# Altium PCB CGRA_Board_3.PcbDoc (part 1 of 7) (continued)
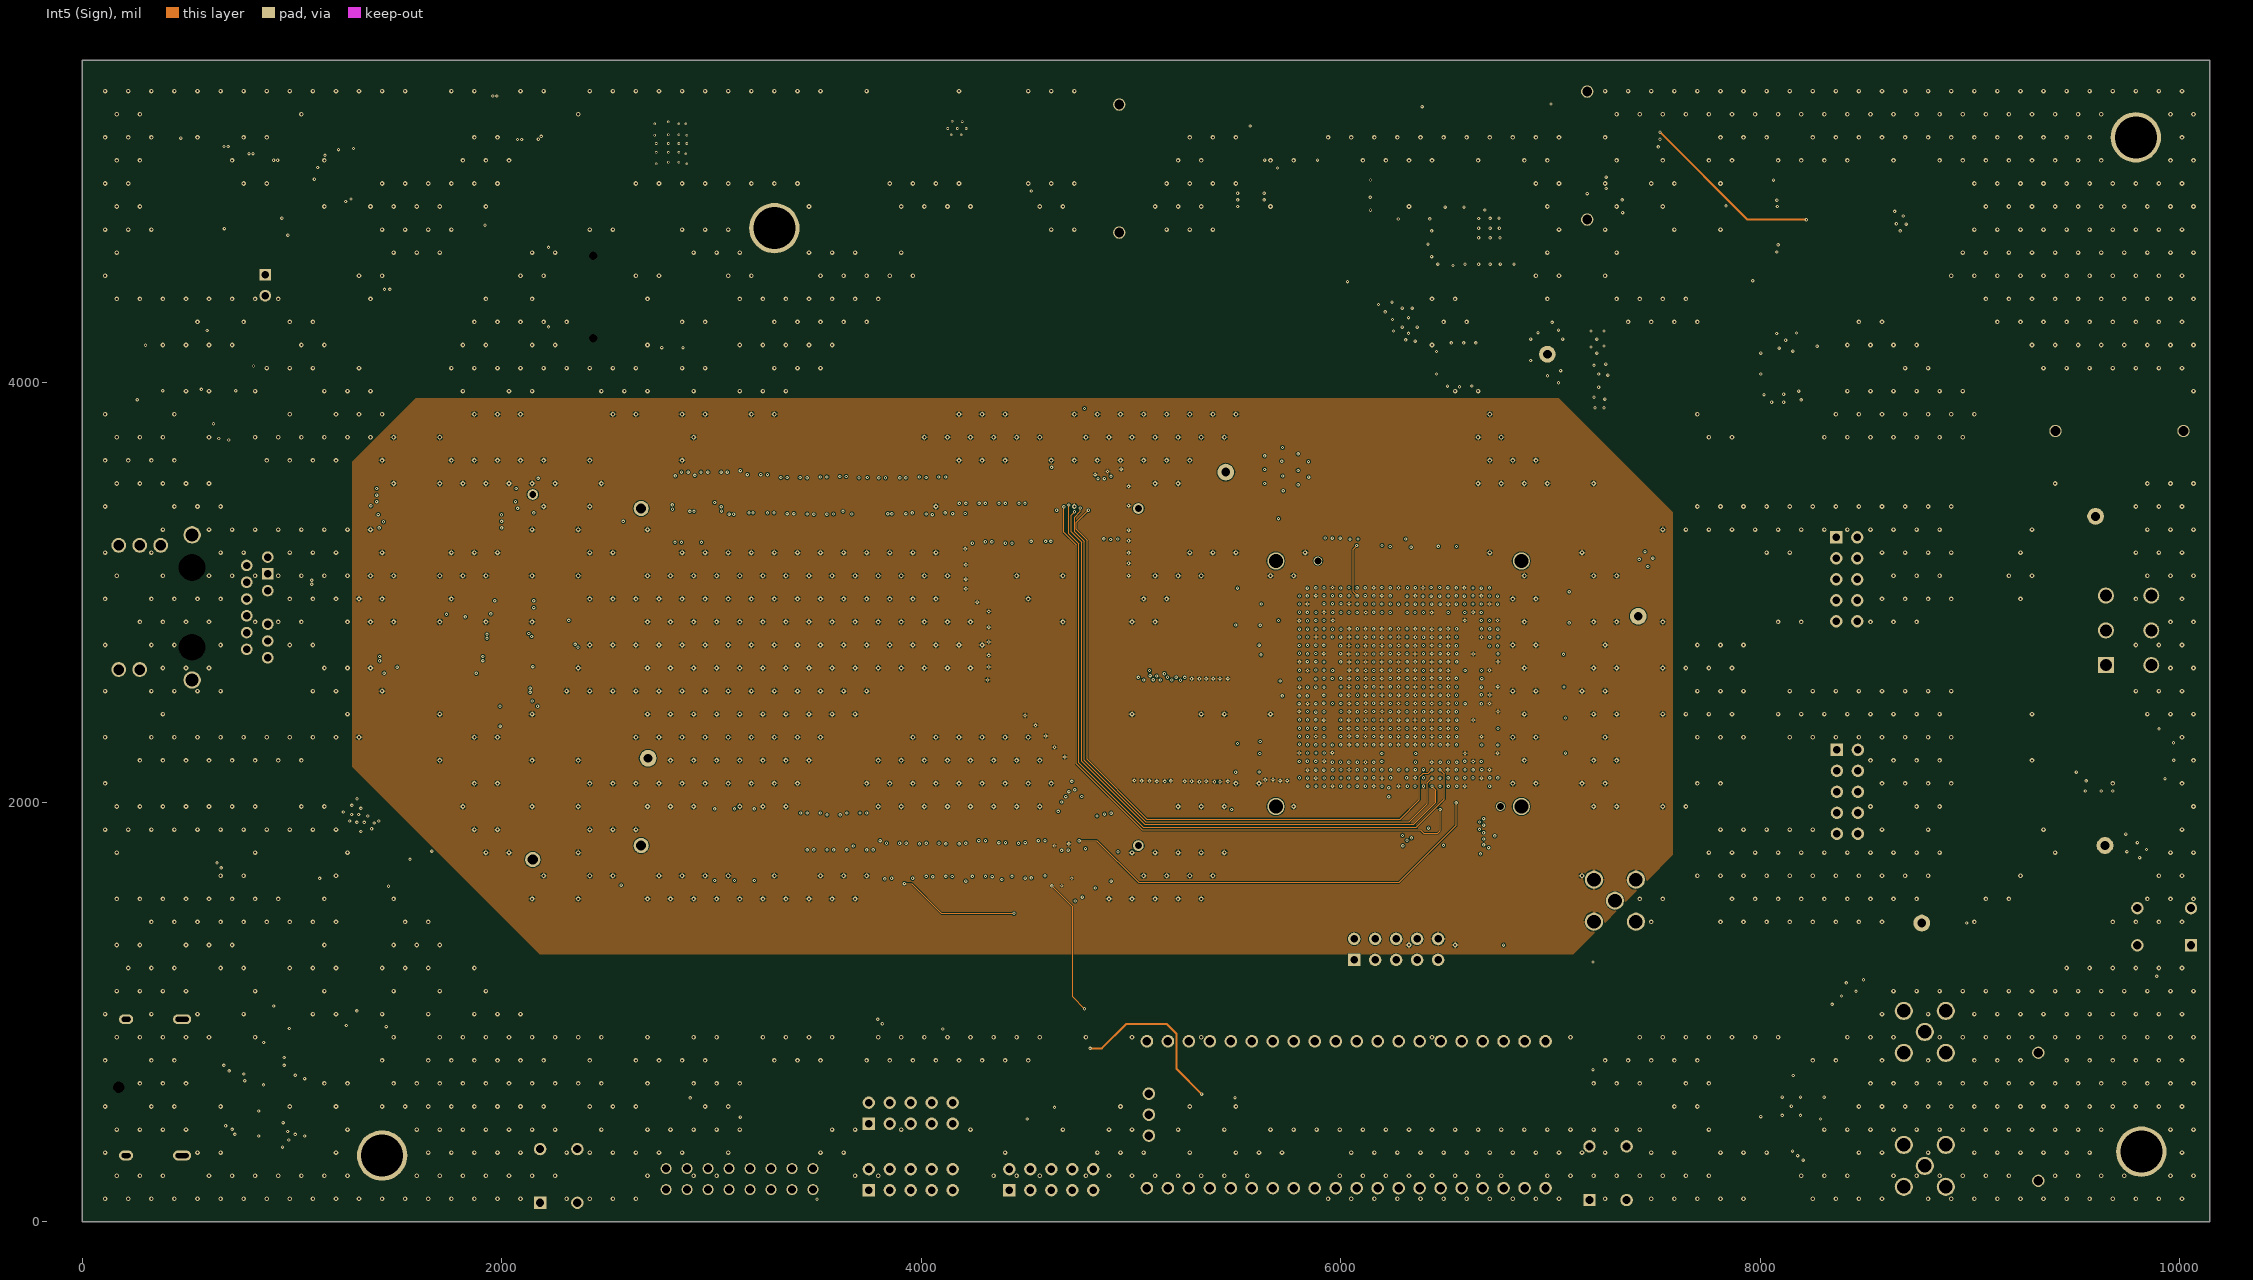
[diagram p6: Int5 (Sign)]
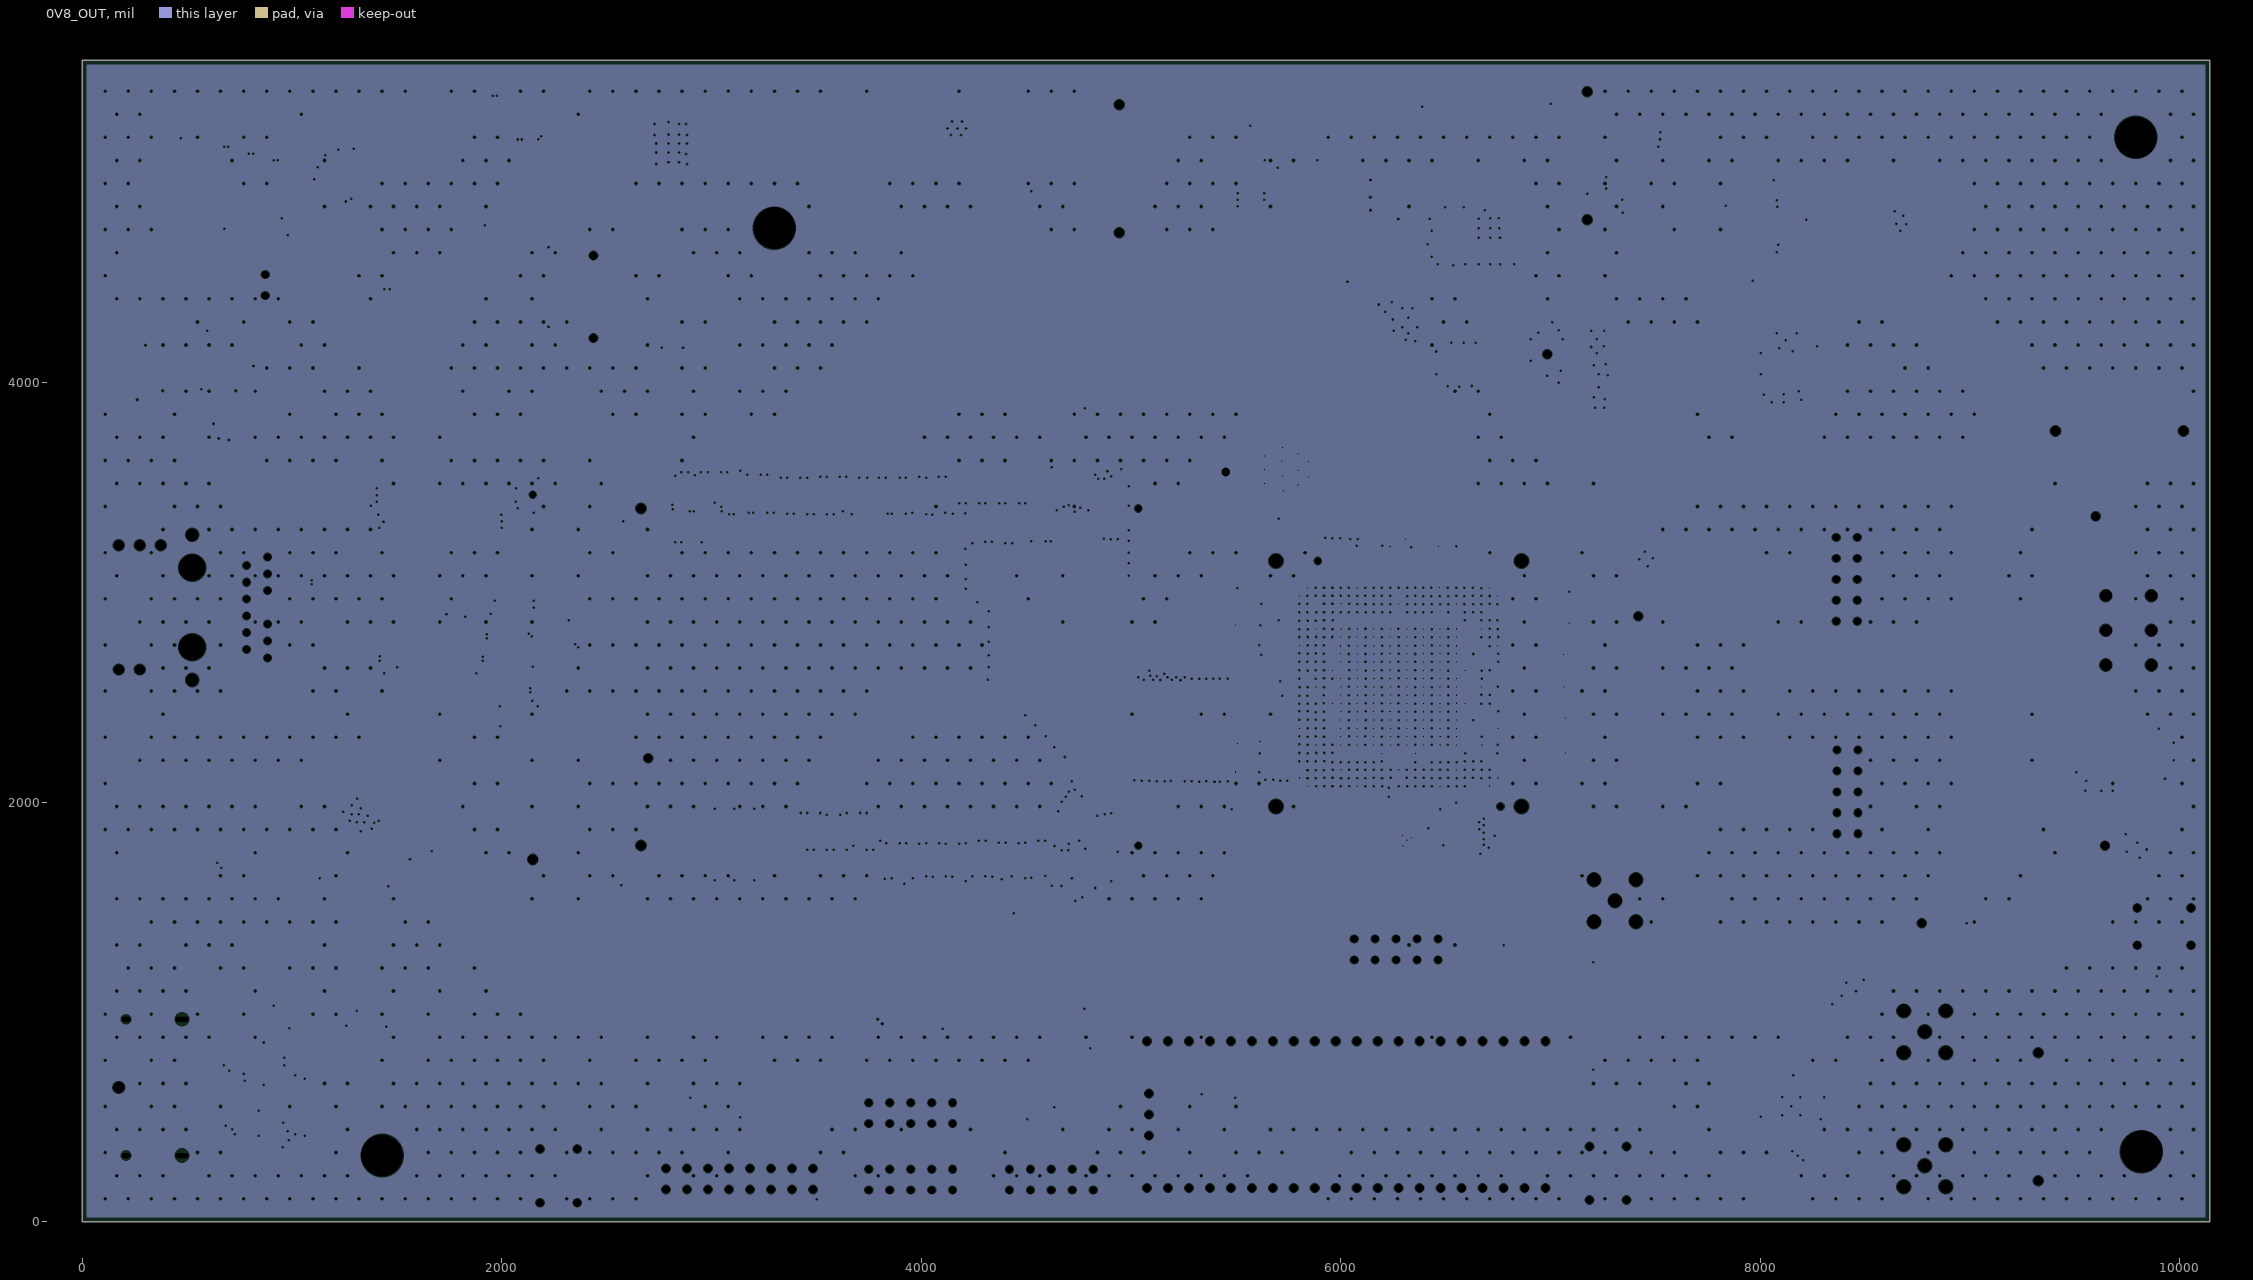
[diagram p7: 0V8_OUT, clearances drawn from the general rule]
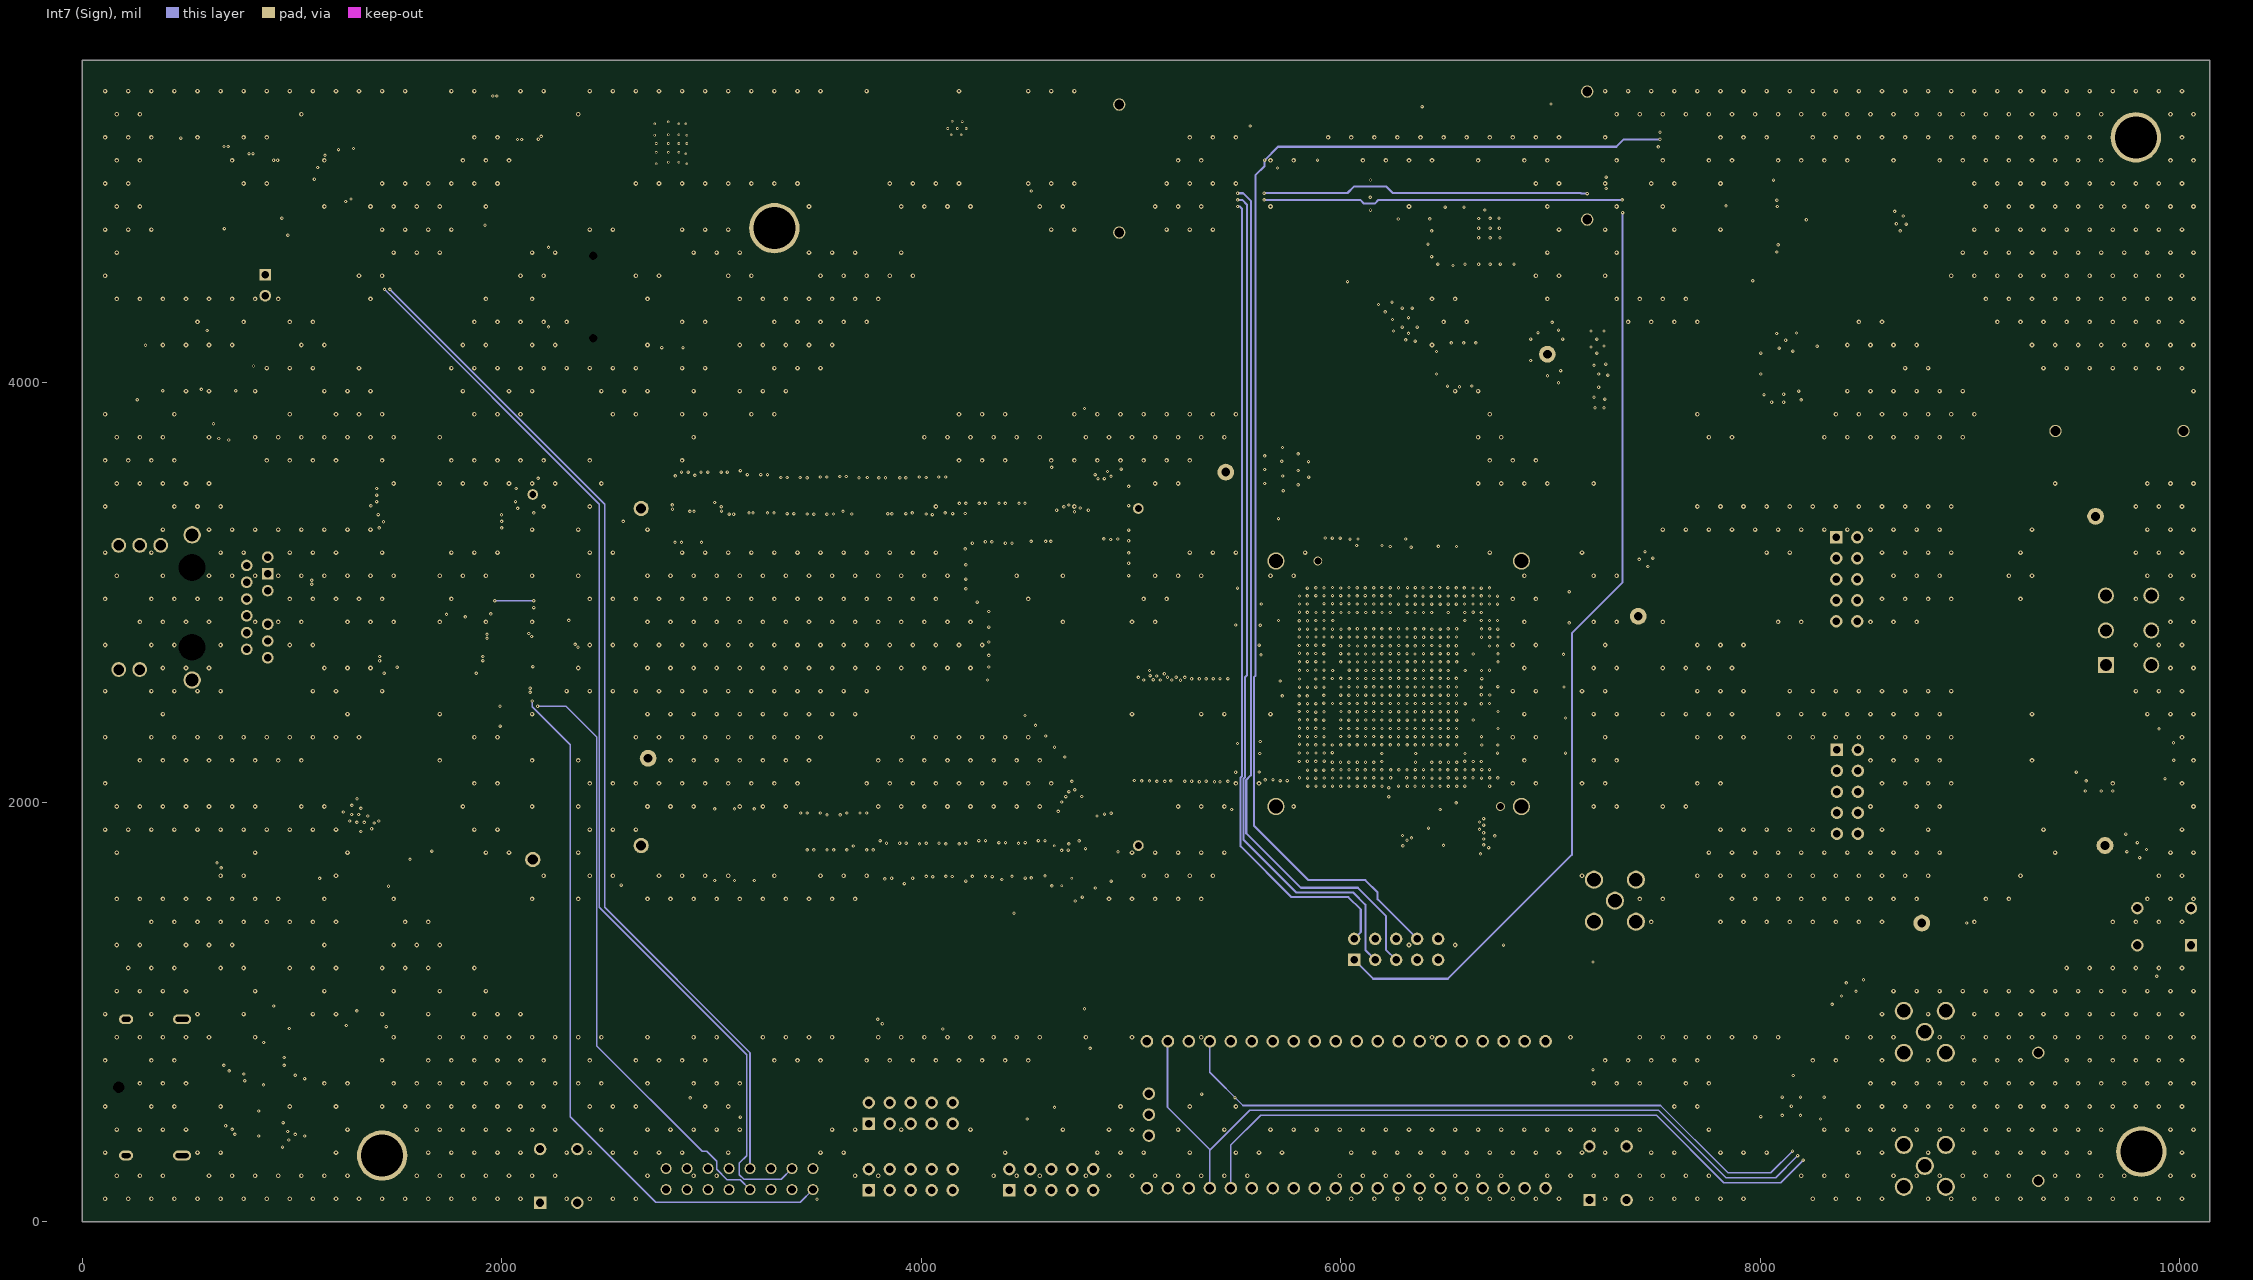
[diagram p8: Int7 (Sign)]
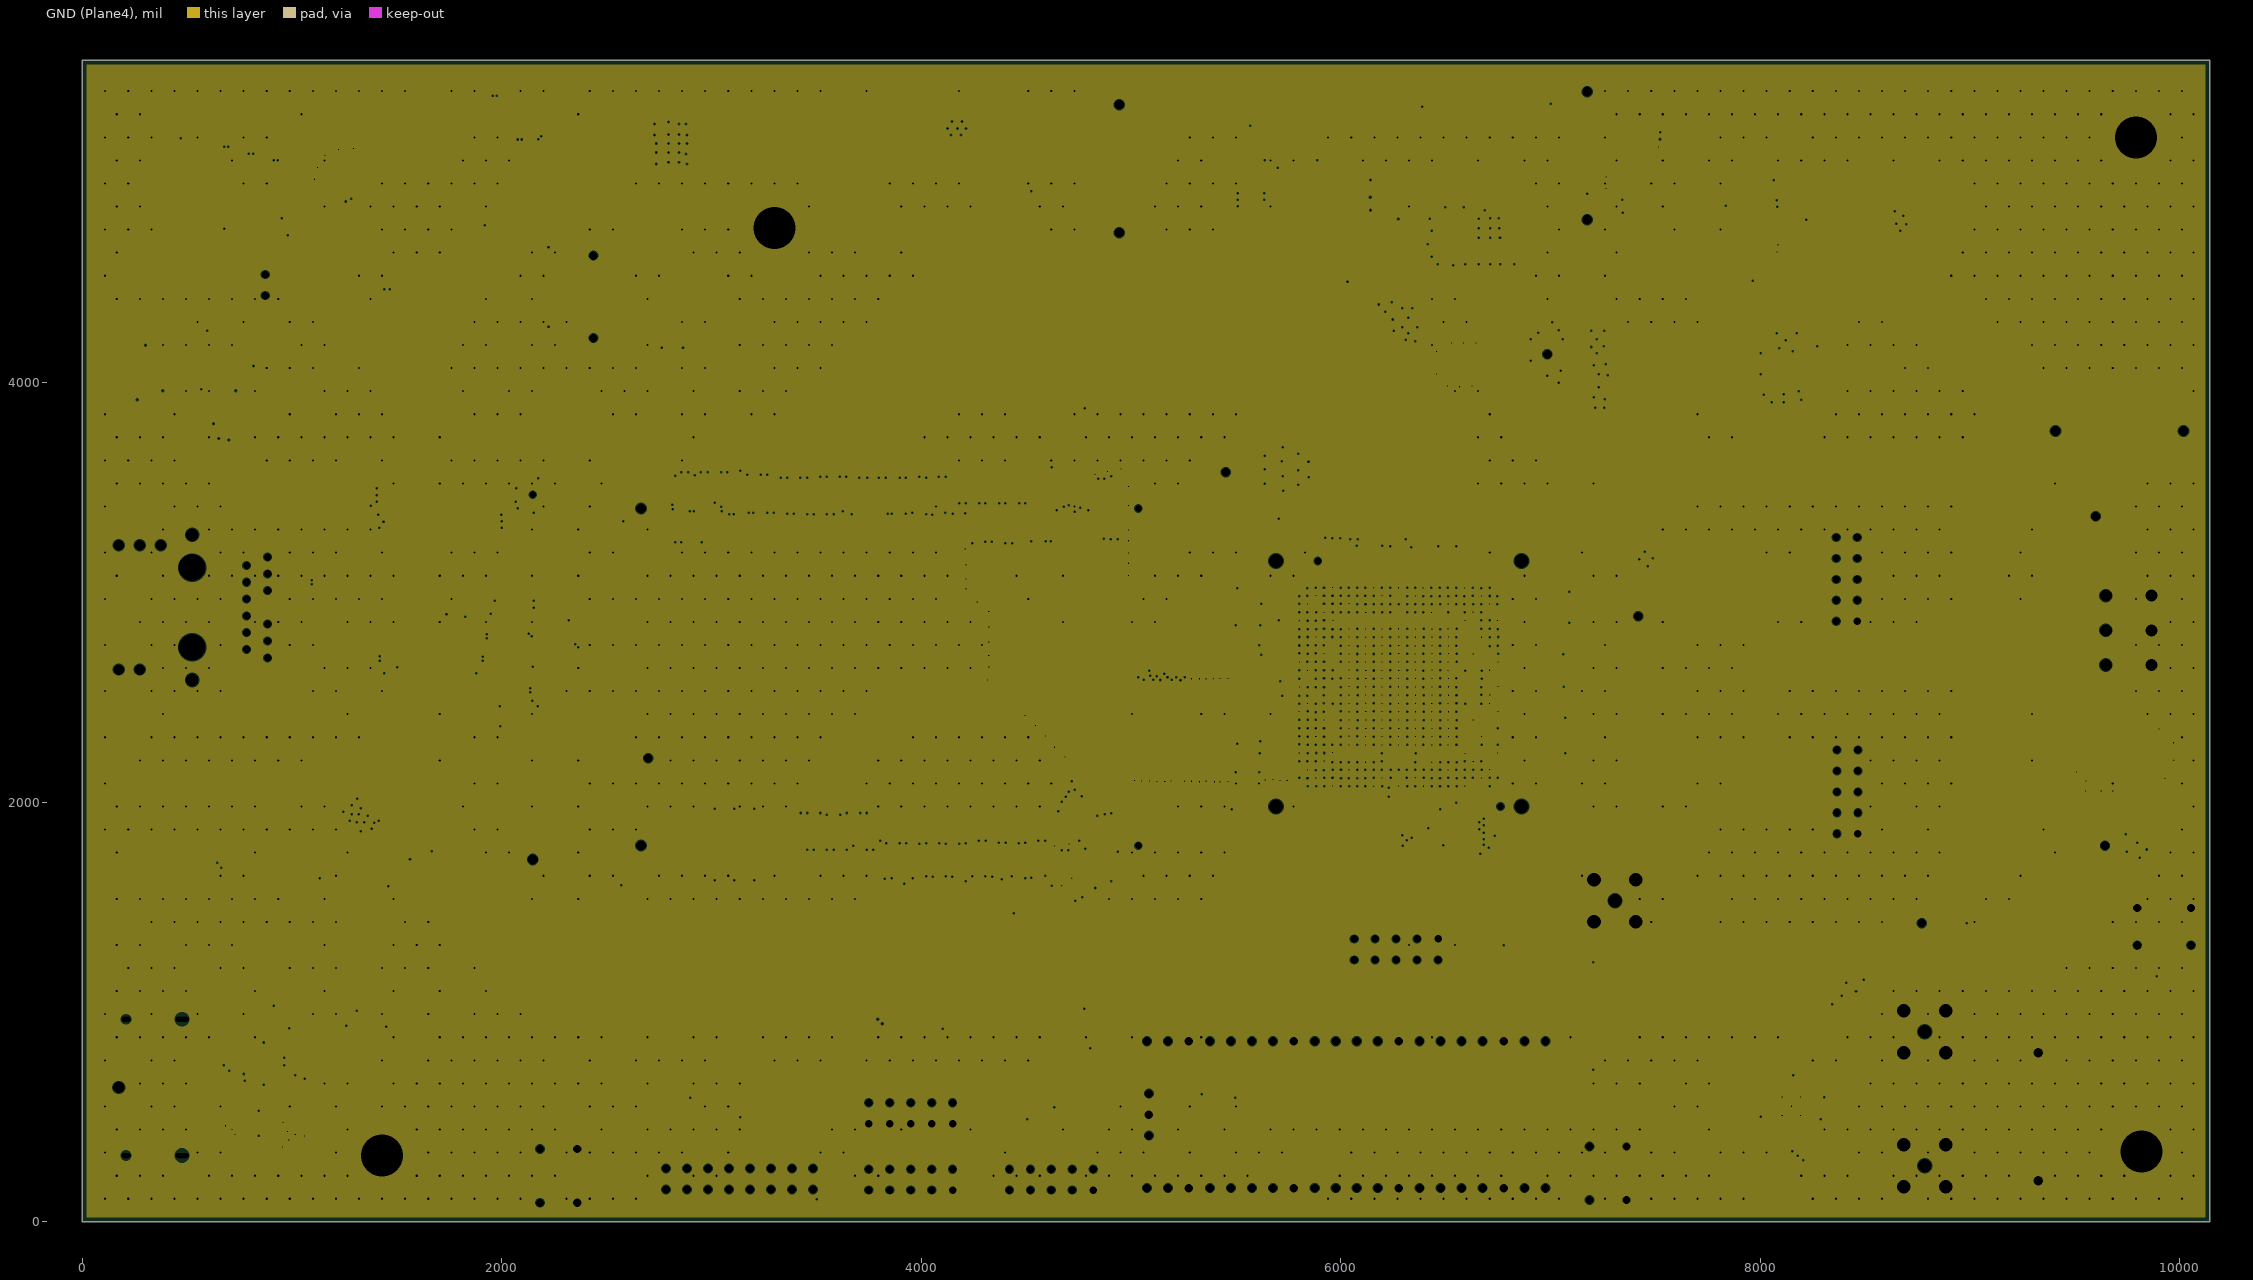
[diagram p9: GND (Plane4), clearances drawn from the general rule]

## Layer stack, top to bottom
Top Solder: solder mask 1, SM-001, Dk 4
Top Layer: signal copper 0.7
Dielectric 1: prepreg 2.8, PP-006, Dk 4.1
Dielectric 2: prepreg 2.8, PP-006, Dk 4.1
GND: plane copper 1.4, net GND
Dielectric 3: core 5, Core-016, Dk 4.3
Int2 (Sign): signal copper 0.7
Dielectric 4: prepreg 2.8, PP-006, Dk 4.1
Dielectric 5: prepreg 2.8, PP-006, Dk 4.1
1V8: plane copper 1.378, net 1V8_PM
Dielectric 6: core 5, Core-016, Dk 4.3
Int4 (Sign): signal copper 1.4
Dielectric 7: prepreg 2.8, PP-006, Dk 4.1
Dielectric 8: prepreg 2.8, PP-006, Dk 4.1
Int5 (Sign): signal copper 1.4
Dielectric 9: core 5, Core-016, Dk 4.3
0V8_OUT: plane copper 1.378, net 0V8_OUT
Dielectric 10: prepreg 2.8, PP-006, Dk 4.1
Dielectric 11: prepreg 2.8, PP-006, Dk 4.1
Int7 (Sign): signal copper 0.7
Dielectric 12: core 5, Core-016, Dk 4.3
GND (Plane4): plane copper 1.4, net GND
Dielectric 13: prepreg 2.8, PP-006, Dk 4.1
Dielectric 14: prepreg 2.8, PP-006, Dk 4.1
Bottom Layer: signal copper 0.7
Bottom Solder: solder mask 1, SM-001, Dk 4

## Board outline
0,0 10143,0 10143,5538 0,5538

## Design rules (kind name [scope] priority, off if disabled: settings)
BoardOutlineClearance [All] p1: gap=10 ignorepadtopadclearanceinfootprint=FALSE except(0: Arc-SplitContinuation Track-SplitContinuation SMDPad-SplitContinuation THPad-SplitContinuation Via-SplitContinuation Fill-SplitContinuation Poly-SplitContinuation Region-SplitContinuation Text-SplitContinuation)
Clearance [All] p1: gap=3.5 ignorepadtopadclearanceinfootprint=FALSE except(0: Arc-Hole Track-Hole SMDPad-Hole THPad-Hole Via-Hole Fill-Hole Poly-Hole Region-Hole Text-Hole)
DiffPairsRouting [All] p1: maxlimit=10 minlimit=3.5 mostfreqgap=8 toplayer_minwidth=3.5 toplayer_maxwidth=15 toplayer_prefwidth=8 midlayer1_minwidth=2.5 midlayer1_maxwidth=15 midlayer1_prefwidth=4 midlayer2_minwidth=2.5 midlayer2_maxwidth=15 midlayer2_prefwidth=4 midlayer3_minwidth=2.5 midlayer3_maxwidth=15 midlayer3_prefwidth=4 midlayer4_minwidth=2.5 midlayer4_maxwidth=15 midlayer4_prefwidth=4 bottomlayer_minwidth=2.5 bottomlayer_maxwidth=15 bottomlayer_prefwidth=8 maxuncoupledlength=500
FabricationTestpoint [All] p1: side=3 testpointundercomponent=TRUE minsize=40 maxsize=125 preferedsize=60 minholesize=0 maxholesize=40 preferedholesize=32 testpointgrid=1 allowsidetop=TRUE allowsidebottom=TRUE usegrid=TRUE gridtolerance=0.01
HoleSize [All] p1: absolutevalues=TRUE maxlimit=150 minlimit=1 maxpercent=80.000 minpercent=20.000
HoleToHoleClearance [All] p1: gap=6 allowstackedmicrovias=TRUE
MinimumAnnularRing [All] p1: minimumring=1
MinimumSolderMaskSliver [All] p1: minsoldermaskwidth=0
PlaneClearance [All] p1: clearance=4
PlaneConnect [All] p1: planeconnectstyle=Relief reliefexpansion=20 reliefentries=4 reliefconductorwidth=10 reliefairgap=10
PolygonConnect [Not(InNet('0V8_INT') OR InNet('1V8_PSM_INT') OR InNet('12V') OR InNet('1V8_LDO_INT') OR InNet('3V3')) vs Not(InNet('0V8_INT') OR InNet('1V8_PSM_INT') OR InNet('12V') OR InNet('1V8_LDO_INT') OR InNet('3V3'))] p1: connectstyle=Relief reliefconductorwidth=10 reliefentries=4 polygonreliefangle="90 Angle" airgapwidth=5
PolygonConnect PolygonConnect_1 [InNet('0V8_INT') OR InNet('1V8_PSM_INT') OR InNet('12V') OR InNet('1V8_LDO_INT') OR InNet('3V3') vs InNet('0V8_INT') OR InNet('1V8_PSM_INT') OR InNet('12V') OR InNet('1V8_LDO_INT') OR InNet('3V3')] p2: connectstyle=Relief reliefconductorwidth=10 reliefentries=4 polygonreliefangle="90 Angle" airgapwidth=3.5
RoutingVias [All] p1: holewidth=6 width=16 viastyle="Through Hole" minholewidth=4 minwidth=16 maxholewidth=28 maxwidth=50
SilkToSilkClearance [All] p1: silktosilkclearance=5
SilkToSolderMaskClearance [IsPad] p1: minsilkscreentomaskgap=4 clearancetoexposedcopper=TRUE
SolderMaskExpansion [All] p1: expansion=4 istentingtop=FALSE
UnRoutedNet [All] p1: checkbadconnections=TRUE
Width [All] p1: maxlimit=10 minlimit=3 preferedwidth=5 toplayer_minwidth=3.5 bottomlayer_minwidth=3.5 minimp=50.000000 maximp=50.000000 favimp=50.000000
20 further rules are at their usual default settings.

## Classes and differential pairs
net class tpiu_trace_data[3..0]: tpiu_trace_data0 tpiu_trace_data1 tpiu_trace_data2 tpiu_trace_data3
net class tlx_rev_payload_tdata[79..0]: tlx_rev_payload_tdata0 tlx_rev_payload_tdata1 tlx_rev_payload_tdata2 tlx_rev_payload_tdata3 tlx_rev_payload_tdata4 tlx_rev_payload_tdata5 tlx_rev_payload_tdata6 tlx_rev_payload_tdata7 tlx_rev_payload_tdata8 tlx_rev_payload_tdata9 tlx_rev_payload_tdata10 tlx_rev_payload_tdata11 tlx_rev_payload_tdata12 tlx_rev_payload_tdata13 tlx_rev_payload_tdata14 tlx_rev_payload_tdata15 tlx_rev_payload_tdata16 tlx_rev_payload_tdata17 tlx_rev_payload_tdata18 tlx_rev_payload_tdata19 tlx_rev_payload_tdata20 tlx_rev_payload_tdata21 tlx_rev_payload_tdata22 tlx_rev_payload_tdata23 tlx_rev_payload_tdata24 tlx_rev_payload_tdata25 tlx_rev_payload_tdata26 tlx_rev_payload_tdata27 tlx_rev_payload_tdata28 tlx_rev_payload_tdata29 tlx_rev_payload_tdata30 tlx_rev_payload_tdata31 tlx_rev_payload_tdata32 tlx_rev_payload_tdata33 tlx_rev_payload_tdata34 tlx_rev_payload_tdata35 tlx_rev_payload_tdata36 tlx_rev_payload_tdata37 tlx_rev_payload_tdata38 tlx_rev_payload_tdata39 tlx_rev_payload_tdata40 tlx_rev_payload_tdata41 tlx_rev_payload_tdata42 tlx_rev_payload_tdata43 tlx_rev_payload_tdata44 tlx_rev_payload_tdata45 tlx_rev_payload_tdata46 tlx_rev_payload_tdata47 tlx_rev_payload_tdata48 tlx_rev_payload_tdata49 tlx_rev_payload_tdata50 tlx_rev_payload_tdata51 tlx_rev_payload_tdata52 tlx_rev_payload_tdata53 tlx_rev_payload_tdata54 tlx_rev_payload_tdata55 tlx_rev_payload_tdata56 tlx_rev_payload_tdata57 tlx_rev_payload_tdata58 tlx_rev_payload_tdata59 tlx_rev_payload_tdata60 tlx_rev_payload_tdata61 tlx_rev_payload_tdata62 tlx_rev_payload_tdata63 tlx_rev_payload_tdata64 tlx_rev_payload_tdata65 tlx_rev_payload_tdata66 tlx_rev_payload_tdata67 tlx_rev_payload_tdata68 tlx_rev_payload_tdata69 tlx_rev_payload_tdata70 tlx_rev_payload_tdata71 tlx_rev_payload_tdata72 tlx_rev_payload_tdata73 tlx_rev_payload_tdata74 tlx_rev_payload_tdata75 tlx_rev_payload_tdata76 tlx_rev_payload_tdata77 tlx_rev_payload_tdata78 tlx_rev_payload_tdata79
net class tlx_rev_flow_tdata[2..0]: tlx_rev_flow_tdata0 tlx_rev_flow_tdata1 tlx_rev_flow_tdata2
net class tlx_fwd_payload_tdata[39..0]: tlx_fwd_payload_tdata0 tlx_fwd_payload_tdata1 tlx_fwd_payload_tdata2 tlx_fwd_payload_tdata3 tlx_fwd_payload_tdata4 tlx_fwd_payload_tdata5 tlx_fwd_payload_tdata6 tlx_fwd_payload_tdata7 tlx_fwd_payload_tdata8 tlx_fwd_payload_tdata9 tlx_fwd_payload_tdata10 tlx_fwd_payload_tdata11 tlx_fwd_payload_tdata12 tlx_fwd_payload_tdata13 tlx_fwd_payload_tdata14 tlx_fwd_payload_tdata15 tlx_fwd_payload_tdata16 tlx_fwd_payload_tdata17 tlx_fwd_payload_tdata18 tlx_fwd_payload_tdata19 tlx_fwd_payload_tdata20 tlx_fwd_payload_tdata21 tlx_fwd_payload_tdata22 tlx_fwd_payload_tdata23 tlx_fwd_payload_tdata24 tlx_fwd_payload_tdata25 tlx_fwd_payload_tdata26 tlx_fwd_payload_tdata27 tlx_fwd_payload_tdata28 tlx_fwd_payload_tdata29 tlx_fwd_payload_tdata30 tlx_fwd_payload_tdata31 tlx_fwd_payload_tdata32 tlx_fwd_payload_tdata33 tlx_fwd_payload_tdata34 tlx_fwd_payload_tdata35 tlx_fwd_payload_tdata36 tlx_fwd_payload_tdata37 tlx_fwd_payload_tdata38 tlx_fwd_payload_tdata39
net class tlx_fwd_flow_tdata[1..0]: tlx_fwd_flow_tdata0 tlx_fwd_flow_tdata1
net class loop_back_select[3..0]: loop_back_select0 loop_back_select1 loop_back_select2 loop_back_select3
component class U_RPi_Pico: D5 D? RPI_P
channel class TPSM846C23_template: U_TPSM846C23_template1 U_TPSM846C23_template2 U_TPSM846C23_template3
component class U_USB: C173 C174 C175 C176 C177 D4 J10 L1 R45 R46
component class U_Ultrascale_EG: D2 J9 JTAG1 P3
component class U_Ultrascale_EG3: J15
component class U_Ultrascale_EG2: J8
component class U_TPSM846C23_template2: C157_U_TPSM846C23_template2 C158_U_TPSM846C23_template2 C159_U_TPSM846C23_template2 C160_U_TPSM846C23_template2 C161_U_TPSM846C23_template2 C162_U_TPSM846C23_template2 C163_U_TPSM846C23_template2 C164_U_TPSM846C23_template2 C165_U_TPSM846C23_template2 C166_U_TPSM846C23_template2 C167_U_TPSM846C23_template2 C168_U_TPSM846C23_template2 C169_U_TPSM846C23_template2 C170_U_TPSM846C23_template2 C171.2 C172_U_TPSM846C23_template2 R41_U_TPSM846C23_template2 R42_U_TPSM846C23_template2 Rcomp1_U_TPSM846C23_template2 Rset1_U_TPSM846C23_template2 U7_1V8_PM U7_U_TPSM846C23_template2
component class U_TPSM846C23_template1: *.1 C157_U_TPSM846C23_template1 C158_U_TPSM846C23_template1 C159_U_TPSM846C23_template1 C160_U_TPSM846C23_template1 C161_U_TPSM846C23_template1 C162_U_TPSM846C23_template1 C163_U_TPSM846C23_template1 C164_U_TPSM846C23_template1 C165_U_TPSM846C23_template1 C166_U_TPSM846C23_template1 C167_U_TPSM846C23_template1 C168_U_TPSM846C23_template1 C169_U_TPSM846C23_template1 C170_U_TPSM846C23_template1 C171.1 C172_U_TPSM846C23_template1 R41_U_TPSM846C23_template1 R42_U_TPSM846C23_template1 Rcomp1_U_TPSM846C23_template1 Rset1_U_TPSM846C23_template1 U7_GTR_VCC U7_U_TPSM846C23_template1
component class U_SMA_Banana: TP1 TP2 TP3 TP4 TP5 TP6 TP7
component class U_Ref_CLK: C33 C34 C35 C36 C40 C47 C48 C49 CLK1 J4 J5 J18 S4 X1
component class U_Power_subsystem: B1 B2 B4 C37 C38 C39 C151 C152 C153 C154 C155 C156 DS2 DS3 J3 R32 R33 R34 R35 R36 R37 S1 S2 S3 U5 U6 U10 U11 VR1
component class U_ETH_microSD: C145 C146 C147 C148 C149 C150 J1 J2 P2 Q1 Q2 R20 R21 R22 R23 R24 R25 R26 R27 R28 R29 R30 R31
component class U_Display_port: C133 C134 C135 C136 C137 C138 C139 C140 C141 C142 C143 C144 D1 IC1 P1 R5 R6 R7 R8 R9 R10 R11 R12 R13 R14 R15 R16 R17 R18 R19 U3 U4
component class U_CSI_connectors: C178 C179 C180 C181 C182 C183 C184 C185 J11 J12 R47 R48 R49 R50 R51 R52 R53 U9
component class U_cgra: C1 C2 C3 C4 C5 C6 C7 C8 C9 C10 C11 C12 C13 C14 C15 C16 C17 C18 C19 C20 C21 C22 C23 C24 C25 C26 C27 C28 C29 C30 C31 C32 C41 C42 C43 C44 C45 C46 C96 C97 C98 C99 C100 C101 C106 C107 C108 C109 C110 C111 C112 C113 C114 C115 C116 C117 C118 C119 C120 C121 U1
component class Top: B5 DS4 DS5 DS6 HDR1 J6 J7 J13 J14 J16 J17 R38 R39 R40 R43 R44 R54 R55 R56 SW1 SW3 SW4
differential pair GTR_REFCLK0: +GTR_REFCLK0_P -GTR_REFCLK0_N
differential pair ETH_MD4: +ETH_MD4_P -ETH_MD4_N
differential pair ETH_MD3: +ETH_MD3_P -ETH_MD3_N
differential pair ETH_MD2: +ETH_MD2_P -ETH_MD2_N
differential pair ETH_MD1: +ETH_MD1_P -ETH_MD1_N
differential pair GTR_TX3: +GTR_TX3_P -GTR_TX3_N
differential pair GTR_TX2: +GTR_TX2_P -GTR_TX2_N
differential pair USB3_D: +USB3_D_P -USB3_D_N
differential pair USB1_D_R: +USB1_D_R_P -USB1_D_R_N
differential pair GTR_TX1: +GTR_TX1_P -GTR_TX1_N
differential pair GTR_TX0: +GTR_TX0_P -GTR_TX0_N
differential pair GTR_RX1: +GTR_RX1_P -GTR_RX1_N
differential pair GTR_RX0: +GTR_RX0_P -GTR_RX0_N
differential pair GTR_REFCLK3: +GTR_REFCLK3_P -GTR_REFCLK3_N
differential pair GTR_REFCLK1: +GTR_REFCLK1_P -GTR_REFCLK1_N
differential pair DP_TX3: +DP_TX3_P -DP_TX3_N
differential pair DP_TX2: +DP_TX2_P -DP_TX2_N
differential pair CAM1_D1: +CAM1_D1_P -CAM1_D1_N
differential pair CAM1_D0: +CAM1_D0_P -CAM1_D0_N
differential pair CAM1_C: +CAM1_C_P -CAM1_C_N
differential pair CAM0_D1: +CAM0_D1_P -CAM0_D1_N
differential pair CAM0_D0: +CAM0_D0_P -CAM0_D0_N
differential pair CAM0_C: +CAM0_C_P -CAM0_C_N
